# KiCad board SparkFun_Pro_Mini-ESP32_panelized.kicad_pcb
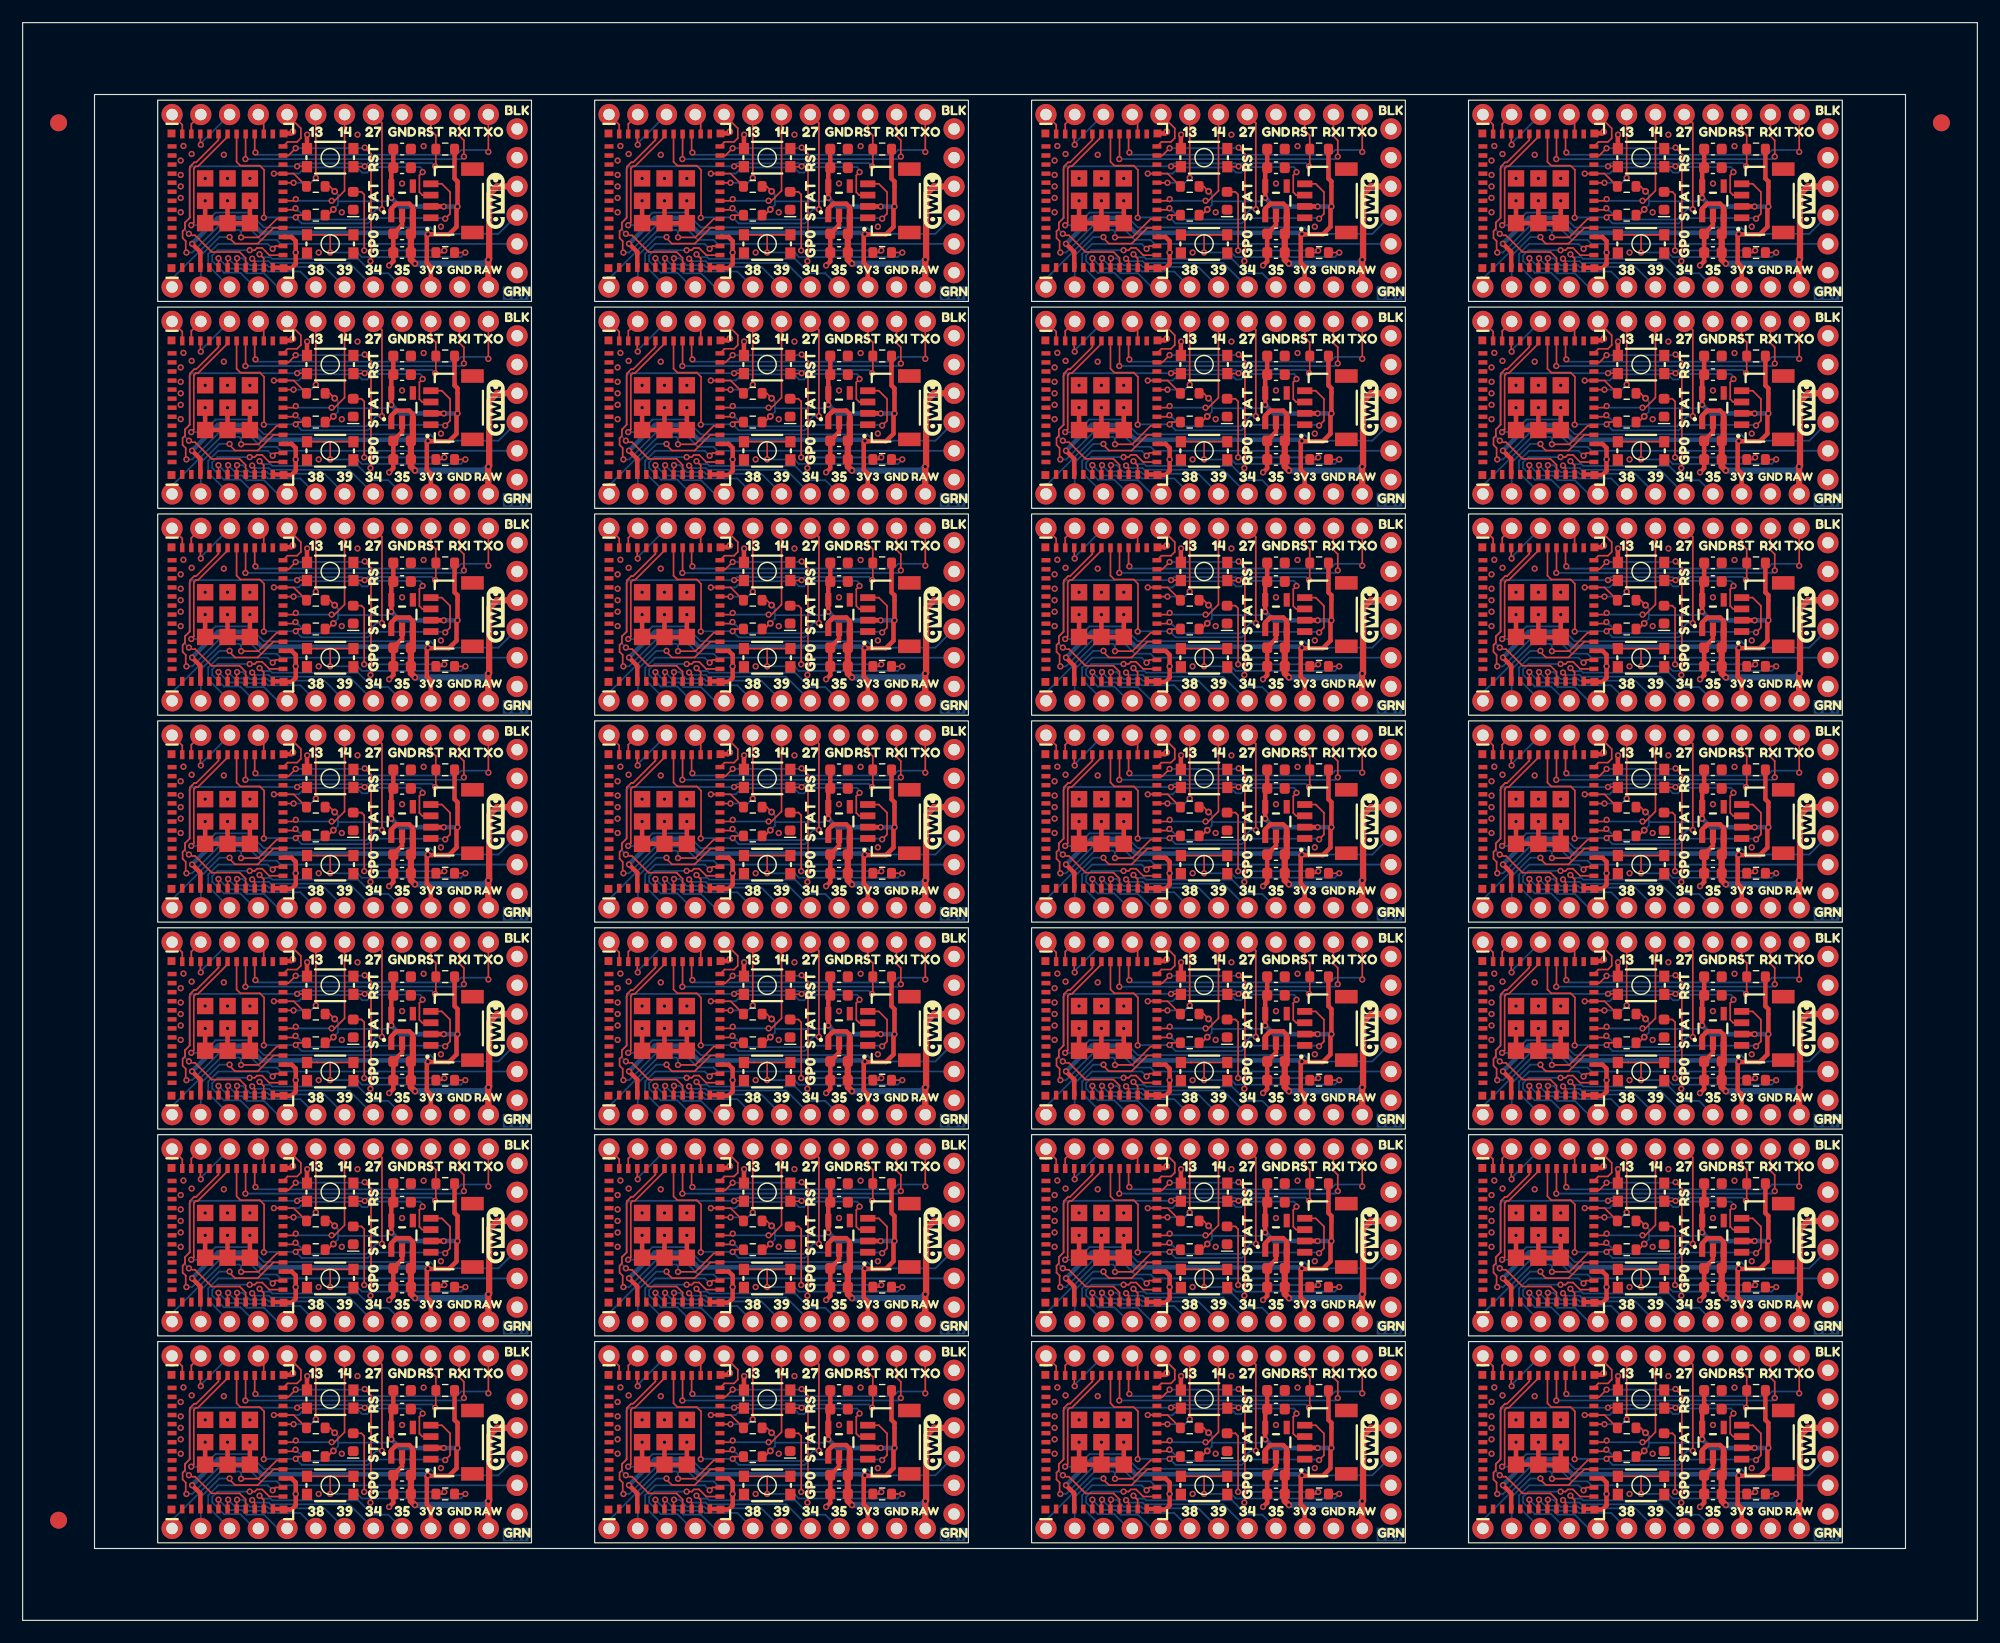
[diagram p0: board, top side]
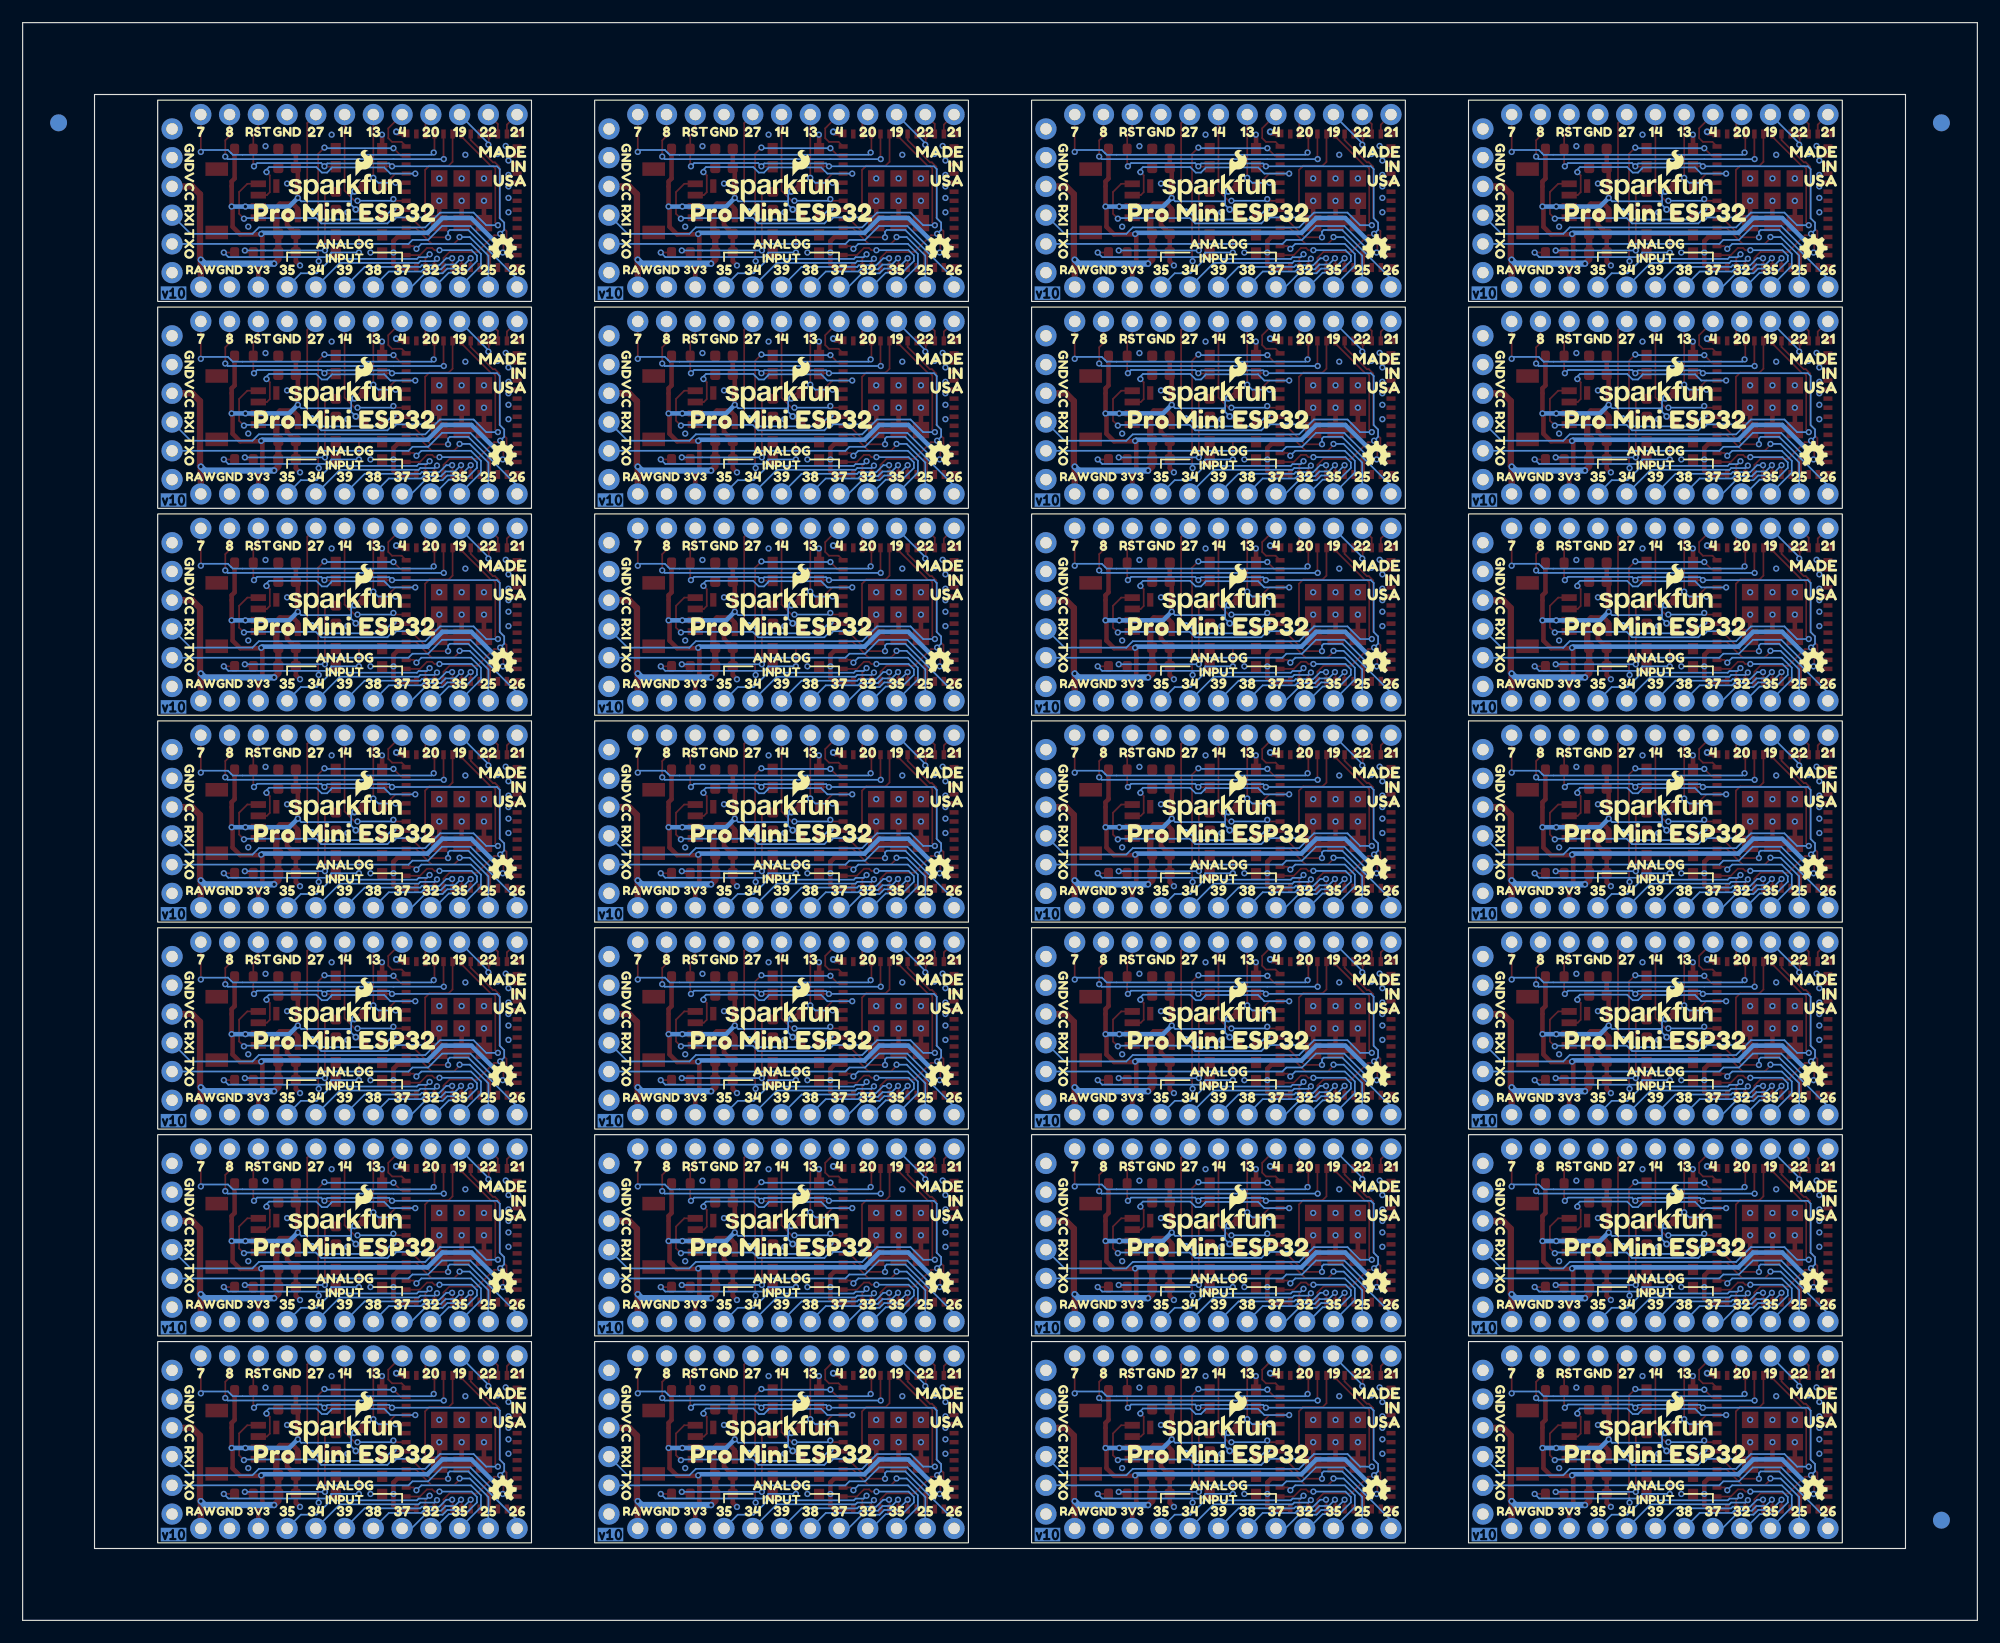
[diagram p1: board, bottom side, seen from below]

Outline 172.68 x 141.16 mm; copper layers: Top, Bottom. Coordinates in mm from the lower left corner of the outline.
Outline path: rectangle 11.93,134.31 44.95,116.53 ; rectangle 11.93,116.03 44.95,98.25 ; rectangle 11.93,97.75 44.95,79.97 ; rectangle 11.93,79.47 44.95,61.69 ; rectangle 11.93,61.19 44.95,43.41 ; rectangle 11.93,42.91 44.95,25.13 ; rectangle 11.93,24.63 44.95,6.85 ; rectangle 50.53,134.31 83.55,116.53 ; rectangle 50.53,116.03 83.55,98.25 ; rectangle 50.53,97.75 83.55,79.97 ; rectangle 50.53,79.47 83.55,61.69 ; rectangle 50.53,61.19 83.55,43.41 ; rectangle 50.53,42.91 83.55,25.13 ; rectangle 50.53,24.63 83.55,6.85 ; rectangle 89.13,134.31 122.15,116.53 ; rectangle 89.13,116.03 122.15,98.25 ; rectangle 89.13,97.75 122.15,79.97 ; rectangle 89.13,79.47 122.15,61.69 ; rectangle 89.13,61.19 122.15,43.41 ; rectangle 89.13,42.91 122.15,25.13 ; rectangle 89.13,24.63 122.15,6.85 ; rectangle 127.73,134.31 160.75,116.53 ; rectangle 127.73,116.03 160.75,98.25 ; rectangle 127.73,97.75 160.75,79.97 ; rectangle 127.73,79.47 160.75,61.69 ; rectangle 127.73,61.19 160.75,43.41 ; rectangle 127.73,42.91 160.75,25.13 ; rectangle 127.73,24.63 160.75,6.85 ; 0,141.16 172.68,141.16 172.68,0 0,0 0,141.16 ; 6.35,134.81 166.33,134.81 166.33,6.35 6.35,6.35 6.35,134.81
Stack: Top 0.035mm / dielectric 1.51mm FR4 er 4.5 / Bottom 0.035mm

## Placement (name value [footprint] x y rotation side)
C1  10uF  [C_0603_1608Metric]  72.12 122.5 180 top
C1#2  10uF  [C_0603_1608Metric]  149.32 104.22 180 top
C1#3  10uF  [C_0603_1608Metric]  110.72 49.38 180 top
C1#4  10uF  [C_0603_1608Metric]  149.32 122.5 180 top
C1#5  10uF  [C_0603_1608Metric]  149.32 49.38 180 top
C1#6  10uF  [C_0603_1608Metric]  149.32 12.82 180 top
C1#7  10uF  [C_0603_1608Metric]  72.12 67.66 180 top
C1#8  10uF  [C_0603_1608Metric]  149.32 31.1 180 top
C1#9  10uF  [C_0603_1608Metric]  110.72 85.94 180 top
C1#10  10uF  [C_0603_1608Metric]  33.52 12.82 180 top
C1#11  10uF  [C_0603_1608Metric]  72.12 12.82 180 top
C1#12  10uF  [C_0603_1608Metric]  110.72 31.1 180 top
C1#13  10uF  [C_0603_1608Metric]  33.52 104.22 180 top
C1#14  10uF  [C_0603_1608Metric]  72.12 31.1 180 top
C1#15  10uF  [C_0603_1608Metric]  72.12 104.22 180 top
C1#16  10uF  [C_0603_1608Metric]  110.72 67.66 180 top
C1#17  10uF  [C_0603_1608Metric]  33.52 85.94 180 top
C1#18  10uF  [C_0603_1608Metric]  33.52 49.38 180 top
C1#19  10uF  [C_0603_1608Metric]  72.12 49.38 180 top
C1#20  10uF  [C_0603_1608Metric]  149.32 85.94 180 top
C1#21  10uF  [C_0603_1608Metric]  110.72 104.22 180 top
C1#22  10uF  [C_0603_1608Metric]  33.52 31.1 180 top
C1#23  10uF  [C_0603_1608Metric]  72.12 85.94 180 top
C1#24  10uF  [C_0603_1608Metric]  33.52 122.5 180 top
C1#25  10uF  [C_0603_1608Metric]  110.72 12.82 180 top
C1#26  10uF  [C_0603_1608Metric]  149.32 67.66 180 top
C1#27  10uF  [C_0603_1608Metric]  33.52 67.66 180 top
C1#28  10uF  [C_0603_1608Metric]  110.72 122.5 180 top
C2  1.0uF  [C_0603_1608Metric]  110.72 29.45 180 top
C2#2  1.0uF  [C_0603_1608Metric]  33.52 84.29 180 top
C2#3  1.0uF  [C_0603_1608Metric]  110.72 47.73 180 top
C2#4  1.0uF  [C_0603_1608Metric]  33.52 66.01 180 top
C2#5  1.0uF  [C_0603_1608Metric]  33.52 120.85 180 top
C2#6  1.0uF  [C_0603_1608Metric]  149.32 102.57 180 top
C2#7  1.0uF  [C_0603_1608Metric]  110.72 120.85 180 top
C2#8  1.0uF  [C_0603_1608Metric]  149.32 120.85 180 top
C2#9  1.0uF  [C_0603_1608Metric]  149.32 47.73 180 top
C2#10  1.0uF  [C_0603_1608Metric]  72.12 47.73 180 top
C2#11  1.0uF  [C_0603_1608Metric]  110.72 102.57 180 top
C2#12  1.0uF  [C_0603_1608Metric]  33.52 47.73 180 top
C2#13  1.0uF  [C_0603_1608Metric]  72.12 11.17 180 top
C2#14  1.0uF  [C_0603_1608Metric]  72.12 120.85 180 top
C2#15  1.0uF  [C_0603_1608Metric]  72.12 102.57 180 top
C2#16  1.0uF  [C_0603_1608Metric]  72.12 29.45 180 top
C2#17  1.0uF  [C_0603_1608Metric]  72.12 66.01 180 top
C2#18  1.0uF  [C_0603_1608Metric]  149.32 11.17 180 top
C2#19  1.0uF  [C_0603_1608Metric]  110.72 84.29 180 top
C2#20  1.0uF  [C_0603_1608Metric]  72.12 84.29 180 top
C2#21  1.0uF  [C_0603_1608Metric]  110.72 11.17 180 top
C2#22  1.0uF  [C_0603_1608Metric]  149.32 29.45 180 top
C2#23  1.0uF  [C_0603_1608Metric]  33.52 11.17 180 top
C2#24  1.0uF  [C_0603_1608Metric]  33.52 29.45 180 top
C2#25  1.0uF  [C_0603_1608Metric]  33.52 102.57 180 top
C2#26  1.0uF  [C_0603_1608Metric]  149.32 84.29 180 top
C2#27  1.0uF  [C_0603_1608Metric]  110.72 66.01 180 top
C2#28  1.0uF  [C_0603_1608Metric]  149.32 66.01 180 top
C5  1.0uF  [C_0603_1608Metric]  33.52 18.66 0 top
C5#2  1.0uF  [C_0603_1608Metric]  33.52 110.06 0 top
C5#3  1.0uF  [C_0603_1608Metric]  149.32 128.34 0 top
C5#4  1.0uF  [C_0603_1608Metric]  110.72 128.34 0 top
C5#5  1.0uF  [C_0603_1608Metric]  33.52 36.94 0 top
C5#6  1.0uF  [C_0603_1608Metric]  72.12 110.06 0 top
C5#7  1.0uF  [C_0603_1608Metric]  72.12 91.78 0 top
C5#8  1.0uF  [C_0603_1608Metric]  33.52 91.78 0 top
C5#9  1.0uF  [C_0603_1608Metric]  149.32 110.06 0 top
C5#10  1.0uF  [C_0603_1608Metric]  33.52 128.34 0 top
C5#11  1.0uF  [C_0603_1608Metric]  149.32 91.78 0 top
C5#12  1.0uF  [C_0603_1608Metric]  110.72 36.94 0 top
C5#13  1.0uF  [C_0603_1608Metric]  72.12 128.34 0 top
C5#14  1.0uF  [C_0603_1608Metric]  149.32 55.22 0 top
C5#15  1.0uF  [C_0603_1608Metric]  110.72 55.22 0 top
C5#16  1.0uF  [C_0603_1608Metric]  149.32 18.66 0 top
C5#17  1.0uF  [C_0603_1608Metric]  72.12 36.94 0 top
C5#18  1.0uF  [C_0603_1608Metric]  72.12 73.5 0 top
C5#19  1.0uF  [C_0603_1608Metric]  110.72 110.06 0 top
C5#20  1.0uF  [C_0603_1608Metric]  149.32 36.94 0 top
C5#21  1.0uF  [C_0603_1608Metric]  110.72 73.5 0 top
C5#22  1.0uF  [C_0603_1608Metric]  72.12 55.22 0 top
C5#23  1.0uF  [C_0603_1608Metric]  110.72 91.78 0 top
C5#24  1.0uF  [C_0603_1608Metric]  72.12 18.66 0 top
C5#25  1.0uF  [C_0603_1608Metric]  33.52 73.5 0 top
C5#26  1.0uF  [C_0603_1608Metric]  110.72 18.66 0 top
C5#27  1.0uF  [C_0603_1608Metric]  149.32 73.5 0 top
C5#28  1.0uF  [C_0603_1608Metric]  33.52 55.22 0 top
C6  10uF  [C_0603_1608Metric]  149.32 20.31 0 top
C6#2  10uF  [C_0603_1608Metric]  33.52 75.15 0 top
C6#3  10uF  [C_0603_1608Metric]  33.52 129.99 0 top
C6#4  10uF  [C_0603_1608Metric]  72.12 111.71 0 top
C6#5  10uF  [C_0603_1608Metric]  149.32 75.15 0 top
C6#6  10uF  [C_0603_1608Metric]  33.52 56.87 0 top
C6#7  10uF  [C_0603_1608Metric]  72.12 56.87 0 top
C6#8  10uF  [C_0603_1608Metric]  72.12 38.59 0 top
C6#9  10uF  [C_0603_1608Metric]  72.12 93.43 0 top
C6#10  10uF  [C_0603_1608Metric]  149.32 38.59 0 top
C6#11  10uF  [C_0603_1608Metric]  33.52 38.59 0 top
C6#12  10uF  [C_0603_1608Metric]  110.72 129.99 0 top
C6#13  10uF  [C_0603_1608Metric]  110.72 75.15 0 top
C6#14  10uF  [C_0603_1608Metric]  149.32 93.43 0 top
C6#15  10uF  [C_0603_1608Metric]  149.32 56.87 0 top
C6#16  10uF  [C_0603_1608Metric]  110.72 56.87 0 top
C6#17  10uF  [C_0603_1608Metric]  33.52 93.43 0 top
C6#18  10uF  [C_0603_1608Metric]  110.72 20.31 0 top
C6#19  10uF  [C_0603_1608Metric]  33.52 20.31 0 top
C6#20  10uF  [C_0603_1608Metric]  72.12 75.15 0 top
C6#21  10uF  [C_0603_1608Metric]  149.32 129.99 0 top
C6#22  10uF  [C_0603_1608Metric]  72.12 20.31 0 top
C6#23  10uF  [C_0603_1608Metric]  110.72 93.43 0 top
C6#24  10uF  [C_0603_1608Metric]  110.72 111.71 0 top
C6#25  10uF  [C_0603_1608Metric]  110.72 38.59 0 top
C6#26  10uF  [C_0603_1608Metric]  72.12 129.99 0 top
C6#27  10uF  [C_0603_1608Metric]  149.32 111.71 0 top
C6#28  10uF  [C_0603_1608Metric]  33.52 111.71 0 top
D1  Red  [LED_0603_1608Metric]  106.4 88.86 90 top
D1#2  Red  [LED_0603_1608Metric]  29.2 52.3 90 top
D1#3  Red  [LED_0603_1608Metric]  145 125.42 90 top
D1#4  Red  [LED_0603_1608Metric]  29.2 125.42 90 top
D1#5  Red  [LED_0603_1608Metric]  67.8 15.74 90 top
D1#6  Red  [LED_0603_1608Metric]  29.2 15.74 90 top
D1#7  Red  [LED_0603_1608Metric]  29.2 70.58 90 top
D1#8  Red  [LED_0603_1608Metric]  106.4 107.14 90 top
D1#9  Red  [LED_0603_1608Metric]  145 70.58 90 top
D1#10  Red  [LED_0603_1608Metric]  145 88.86 90 top
D1#11  Red  [LED_0603_1608Metric]  145 34.02 90 top
D1#12  Red  [LED_0603_1608Metric]  145 15.74 90 top
D1#13  Red  [LED_0603_1608Metric]  106.4 34.02 90 top
D1#14  Red  [LED_0603_1608Metric]  106.4 125.42 90 top
D1#15  Red  [LED_0603_1608Metric]  67.8 70.58 90 top
D1#16  Red  [LED_0603_1608Metric]  67.8 125.42 90 top
D1#17  Red  [LED_0603_1608Metric]  29.2 107.14 90 top
D1#18  Red  [LED_0603_1608Metric]  106.4 15.74 90 top
D1#19  Red  [LED_0603_1608Metric]  67.8 52.3 90 top
D1#20  Red  [LED_0603_1608Metric]  106.4 70.58 90 top
D1#21  Red  [LED_0603_1608Metric]  145 52.3 90 top
D1#22  Red  [LED_0603_1608Metric]  67.8 88.86 90 top
D1#23  Red  [LED_0603_1608Metric]  67.8 107.14 90 top
D1#24  Red  [LED_0603_1608Metric]  145 107.14 90 top
D1#25  Red  [LED_0603_1608Metric]  106.4 52.3 90 top
D1#26  Red  [LED_0603_1608Metric]  29.2 88.86 90 top
D1#27  Red  [LED_0603_1608Metric]  67.8 34.02 90 top
D1#28  Red  [LED_0603_1608Metric]  29.2 34.02 90 top
G2  OSHW_Logo  [Creative_Commons_License]  34.79 -5.85 0 top
G***  LOGO  [qwiic_5mm]  157.57 70.58 90 top
G***#2  LOGO  [qwiic_5mm]  41.77 88.86 90 top
G***#3  LOGO  [qwiic_5mm]  80.38 125.42 90 top
G***#4  LOGO  [qwiic_5mm]  118.98 107.14 90 top
G***#5  LOGO  [qwiic_5mm]  80.38 52.3 90 top
G***#6  LOGO  [qwiic_5mm]  118.98 70.58 90 top
G***#7  LOGO  [qwiic_5mm]  80.38 15.74 90 top
G***#8  LOGO  [qwiic_5mm]  118.98 52.3 90 top
G***#9  LOGO  [qwiic_5mm]  157.57 88.86 90 top
G***#10  LOGO  [qwiic_5mm]  157.57 15.74 90 top
G***#11  LOGO  [qwiic_5mm]  157.57 107.14 90 top
G***#12  LOGO  [qwiic_5mm]  41.77 107.14 90 top
G***#13  LOGO  [qwiic_5mm]  80.38 107.14 90 top
G***#14  LOGO  [qwiic_5mm]  157.57 125.42 90 top
G***#15  LOGO  [qwiic_5mm]  41.77 125.42 90 top
G***#16  LOGO  [qwiic_5mm]  80.38 88.86 90 top
G***#17  LOGO  [qwiic_5mm]  80.38 70.58 90 top
G***#18  LOGO  [qwiic_5mm]  118.98 125.42 90 top
G***#19  LOGO  [qwiic_5mm]  41.77 52.3 90 top
G***#20  LOGO  [qwiic_5mm]  80.38 34.02 90 top
G***#21  LOGO  [qwiic_5mm]  157.57 34.02 90 top
G***#22  LOGO  [qwiic_5mm]  118.98 15.74 90 top
G***#23  LOGO  [qwiic_5mm]  41.77 70.58 90 top
G***#24  LOGO  [qwiic_5mm]  118.98 34.02 90 top
G***#25  LOGO  [qwiic_5mm]  118.98 88.86 90 top
G***#26  LOGO  [qwiic_5mm]  157.57 52.3 90 top
G***#27  LOGO  [qwiic_5mm]  41.77 15.74 90 top
G***#28  LOGO  [qwiic_5mm]  41.77 34.02 90 top
G***#29  LOGO  [SparkFun_Logo_10mm]  28.44 90.13 180 bottom
G***#30  LOGO  [SparkFun_Logo_10mm]  67.04 108.41 180 bottom
G***#31  LOGO  [SparkFun_Logo_10mm]  67.04 53.57 180 bottom
G***#32  LOGO  [SparkFun_Logo_10mm]  67.04 71.85 180 bottom
G***#33  LOGO  [SparkFun_Logo_10mm]  67.04 35.29 180 bottom
G***#34  LOGO  [SparkFun_Logo_10mm]  28.44 71.85 180 bottom
G***#35  LOGO  [SparkFun_Logo_10mm]  105.64 126.69 180 bottom
G***#36  LOGO  [SparkFun_Logo_10mm]  105.64 53.57 180 bottom
G***#37  LOGO  [SparkFun_Logo_10mm]  105.64 71.85 180 bottom
G***#38  LOGO  [SparkFun_Logo_10mm]  105.64 35.29 180 bottom
G***#39  LOGO  [SparkFun_Logo_10mm]  144.24 108.41 180 bottom
G***#40  LOGO  [SparkFun_Logo_10mm]  28.44 53.57 180 bottom
G***#41  LOGO  [SparkFun_Logo_10mm]  105.64 17.01 180 bottom
G***#42  LOGO  [SparkFun_Logo_10mm]  28.44 17.01 180 bottom
G***#43  LOGO  [SparkFun_Logo_10mm]  144.24 35.29 180 bottom
G***#44  LOGO  [SparkFun_Logo_10mm]  144.24 17.01 180 bottom
G***#45  LOGO  [SparkFun_Logo_10mm]  144.24 90.13 180 bottom
G***#46  LOGO  [SparkFun_Logo_10mm]  28.44 126.69 180 bottom
G***#47  LOGO  [SparkFun_Logo_10mm]  105.64 108.41 180 bottom
G***#48  LOGO  [SparkFun_Logo_10mm]  67.04 90.13 180 bottom
G***#49  LOGO  [SparkFun_Logo_10mm]  28.44 35.29 180 bottom
G***#50  LOGO  [SparkFun_Logo_10mm]  144.24 53.57 180 bottom
G***#51  LOGO  [SparkFun_Logo_10mm]  67.04 17.01 180 bottom
G***#52  LOGO  [SparkFun_Logo_10mm]  144.24 126.69 180 bottom
G***#53  LOGO  [SparkFun_Logo_10mm]  28.44 108.41 180 bottom
G***#54  LOGO  [SparkFun_Logo_10mm]  105.64 90.13 180 bottom
G***#55  LOGO  [SparkFun_Logo_10mm]  144.24 71.85 180 bottom
G***#56  LOGO  [SparkFun_Logo_10mm]  67.04 126.69 180 bottom
J1  Conn_01x06  [1X06]  82.28 27.67 90 top
J1#2  Conn_01x06  [1X06]  159.48 100.79 90 top
J1#3  Conn_01x06  [1X06]  43.68 45.95 90 top
J1#4  Conn_01x06  [1X06]  43.68 100.79 90 top
J1#5  Conn_01x06  [1X06]  82.28 9.39 90 top
J1#6  Conn_01x06  [1X06]  82.28 82.51 90 top
J1#7  Conn_01x06  [1X06]  159.48 119.07 90 top
J1#8  Conn_01x06  [1X06]  43.68 27.67 90 top
J1#9  Conn_01x06  [1X06]  82.28 100.79 90 top
J1#10  Conn_01x06  [1X06]  120.88 119.07 90 top
J1#11  Conn_01x06  [1X06]  43.68 9.39 90 top
J1#12  Conn_01x06  [1X06]  82.28 45.95 90 top
J1#13  Conn_01x06  [1X06]  120.88 100.79 90 top
J1#14  Conn_01x06  [1X06]  120.88 45.95 90 top
J1#15  Conn_01x06  [1X06]  159.48 45.95 90 top
J1#16  Conn_01x06  [1X06]  159.48 9.39 90 top
J1#17  Conn_01x06  [1X06]  159.48 82.51 90 top
J1#18  Conn_01x06  [1X06]  120.88 9.39 90 top
J1#19  Conn_01x06  [1X06]  159.48 64.23 90 top
J1#20  Conn_01x06  [1X06]  43.68 82.51 90 top
J1#21  Conn_01x06  [1X06]  43.68 119.07 90 top
J1#22  Conn_01x06  [1X06]  120.88 82.51 90 top
J1#23  Conn_01x06  [1X06]  82.28 119.07 90 top
J1#24  Conn_01x06  [1X06]  120.88 27.67 90 top
J1#25  Conn_01x06  [1X06]  82.28 64.23 90 top
J1#26  Conn_01x06  [1X06]  159.48 27.67 90 top
J1#27  Conn_01x06  [1X06]  43.68 64.23 90 top
J1#28  Conn_01x06  [1X06]  120.88 64.23 90 top
J2  Conn_01x12  [1X12]  90.4 26.4 0 bottom
J2#2  Conn_01x12  [1X12]  51.8 26.4 0 bottom
J2#3  Conn_01x12  [1X12]  129 62.96 0 bottom
J2#4  Conn_01x12  [1X12]  51.8 117.8 0 bottom
J2#5  Conn_01x12  [1X12]  90.4 8.12 0 bottom
J2#6  Conn_01x12  [1X12]  13.2 117.8 0 bottom
J2#7  Conn_01x12  [1X12]  13.2 99.52 0 bottom
J2#8  Conn_01x12  [1X12]  51.8 8.12 0 bottom
J2#9  Conn_01x12  [1X12]  13.2 44.68 0 bottom
J2#10  Conn_01x12  [1X12]  129 8.12 0 bottom
J2#11  Conn_01x12  [1X12]  13.2 81.24 0 bottom
J2#12  Conn_01x12  [1X12]  129 26.4 0 bottom
J2#13  Conn_01x12  [1X12]  129 44.68 0 bottom
J2#14  Conn_01x12  [1X12]  90.4 62.96 0 bottom
J2#15  Conn_01x12  [1X12]  13.2 26.4 0 bottom
J2#16  Conn_01x12  [1X12]  90.4 81.24 0 bottom
J2#17  Conn_01x12  [1X12]  90.4 117.8 0 bottom
J2#18  Conn_01x12  [1X12]  90.4 44.68 0 bottom
J2#19  Conn_01x12  [1X12]  51.8 99.52 0 bottom
J2#20  Conn_01x12  [1X12]  13.2 8.12 0 bottom
J2#21  Conn_01x12  [1X12]  51.8 81.24 0 bottom
J2#22  Conn_01x12  [1X12]  13.2 62.96 0 bottom
J2#23  Conn_01x12  [1X12]  51.8 44.68 0 bottom
J2#24  Conn_01x12  [1X12]  90.4 99.52 0 bottom
J2#25  Conn_01x12  [1X12]  51.8 62.96 0 bottom
J2#26  Conn_01x12  [1X12]  129 117.8 0 bottom
J2#27  Conn_01x12  [1X12]  129 99.52 0 bottom
J2#28  Conn_01x12  [1X12]  129 81.24 0 bottom
J3  Conn_01x12  [1X12]  51.8 41.64 0 top
J3#2  Conn_01x12  [1X12]  90.4 133.04 0 top
J3#3  Conn_01x12  [1X12]  129 78.2 0 top
J3#4  Conn_01x12  [1X12]  51.8 78.2 0 top
J3#5  Conn_01x12  [1X12]  51.8 59.92 0 top
J3#6  Conn_01x12  [1X12]  129 59.92 0 top
J3#7  Conn_01x12  [1X12]  129 133.04 0 top
J3#8  Conn_01x12  [1X12]  90.4 59.92 0 top
J3#9  Conn_01x12  [1X12]  129 41.64 0 top
J3#10  Conn_01x12  [1X12]  90.4 96.48 0 top
J3#11  Conn_01x12  [1X12]  129 114.76 0 top
J3#12  Conn_01x12  [1X12]  13.2 78.2 0 top
J3#13  Conn_01x12  [1X12]  51.8 114.76 0 top
J3#14  Conn_01x12  [1X12]  13.2 96.48 0 top
J3#15  Conn_01x12  [1X12]  90.4 23.36 0 top
J3#16  Conn_01x12  [1X12]  51.8 96.48 0 top
J3#17  Conn_01x12  [1X12]  51.8 23.36 0 top
J3#18  Conn_01x12  [1X12]  13.2 59.92 0 top
J3#19  Conn_01x12  [1X12]  13.2 114.76 0 top
J3#20  Conn_01x12  [1X12]  90.4 41.64 0 top
J3#21  Conn_01x12  [1X12]  51.8 133.04 0 top
J3#22  Conn_01x12  [1X12]  13.2 133.04 0 top
J3#23  Conn_01x12  [1X12]  90.4 78.2 0 top
J3#24  Conn_01x12  [1X12]  129 96.48 0 top
J3#25  Conn_01x12  [1X12]  13.2 23.36 0 top
J3#26  Conn_01x12  [1X12]  90.4 114.76 0 top
J3#27  Conn_01x12  [1X12]  13.2 41.64 0 top
J3#28  Conn_01x12  [1X12]  129 23.36 0 top
J4  Qwiic_RA  [JST04_1MM_RA]  36.06 70.58 90 top
J4#2  Qwiic_RA  [JST04_1MM_RA]  151.86 107.14 90 top
J4#3  Qwiic_RA  [JST04_1MM_RA]  74.66 52.3 90 top
J4#4  Qwiic_RA  [JST04_1MM_RA]  74.66 15.74 90 top
J4#5  Qwiic_RA  [JST04_1MM_RA]  74.66 34.02 90 top
J4#6  Qwiic_RA  [JST04_1MM_RA]  113.26 34.02 90 top
J4#7  Qwiic_RA  [JST04_1MM_RA]  113.26 125.42 90 top
J4#8  Qwiic_RA  [JST04_1MM_RA]  36.06 107.14 90 top
J4#9  Qwiic_RA  [JST04_1MM_RA]  151.86 15.74 90 top
J4#10  Qwiic_RA  [JST04_1MM_RA]  36.06 52.3 90 top
J4#11  Qwiic_RA  [JST04_1MM_RA]  74.66 70.58 90 top
J4#12  Qwiic_RA  [JST04_1MM_RA]  113.26 107.14 90 top
J4#13  Qwiic_RA  [JST04_1MM_RA]  36.06 125.42 90 top
J4#14  Qwiic_RA  [JST04_1MM_RA]  113.26 52.3 90 top
J4#15  Qwiic_RA  [JST04_1MM_RA]  151.86 125.42 90 top
J4#16  Qwiic_RA  [JST04_1MM_RA]  151.86 88.86 90 top
J4#17  Qwiic_RA  [JST04_1MM_RA]  36.06 34.02 90 top
J4#18  Qwiic_RA  [JST04_1MM_RA]  36.06 88.86 90 top
J4#19  Qwiic_RA  [JST04_1MM_RA]  74.66 107.14 90 top
J4#20  Qwiic_RA  [JST04_1MM_RA]  74.66 88.86 90 top
J4#21  Qwiic_RA  [JST04_1MM_RA]  36.06 15.74 90 top
J4#22  Qwiic_RA  [JST04_1MM_RA]  113.26 15.74 90 top
J4#23  Qwiic_RA  [JST04_1MM_RA]  113.26 70.58 90 top
J4#24  Qwiic_RA  [JST04_1MM_RA]  151.86 52.3 90 top
J4#25  Qwiic_RA  [JST04_1MM_RA]  151.86 34.02 90 top
J4#26  Qwiic_RA  [JST04_1MM_RA]  74.66 125.42 90 top
J4#27  Qwiic_RA  [JST04_1MM_RA]  113.26 88.86 90 top
J4#28  Qwiic_RA  [JST04_1MM_RA]  151.86 70.58 90 top
kibuzzard-64DAF3F2  G***  [kibuzzard-64DAF3F2]  144.24 113.24 0 top
kibuzzard-64DAF3F2#2  G***  [kibuzzard-64DAF3F2]  28.44 131.52 0 top
kibuzzard-64DAF3F2#3  G***  [kibuzzard-64DAF3F2]  28.44 40.12 0 top
kibuzzard-64DAF3F2#4  G***  [kibuzzard-64DAF3F2]  28.44 94.96 0 top
kibuzzard-64DAF3F2#5  G***  [kibuzzard-64DAF3F2]  105.64 113.24 0 top
kibuzzard-64DAF3F2#6  G***  [kibuzzard-64DAF3F2]  105.64 76.68 0 top
kibuzzard-64DAF3F2#7  G***  [kibuzzard-64DAF3F2]  67.04 94.96 0 top
kibuzzard-64DAF3F2#8  G***  [kibuzzard-64DAF3F2]  144.24 58.4 0 top
kibuzzard-64DAF3F2#9  G***  [kibuzzard-64DAF3F2]  144.24 131.52 0 top
kibuzzard-64DAF3F2#10  G***  [kibuzzard-64DAF3F2]  144.24 21.84 0 top
kibuzzard-64DAF3F2#11  G***  [kibuzzard-64DAF3F2]  144.24 94.96 0 top
kibuzzard-64DAF3F2#12  G***  [kibuzzard-64DAF3F2]  28.44 21.84 0 top
kibuzzard-64DAF3F2#13  G***  [kibuzzard-64DAF3F2]  67.04 40.12 0 top
kibuzzard-64DAF3F2#14  G***  [kibuzzard-64DAF3F2]  105.64 94.96 0 top
kibuzzard-64DAF3F2#15  G***  [kibuzzard-64DAF3F2]  105.64 131.52 0 top
kibuzzard-64DAF3F2#16  G***  [kibuzzard-64DAF3F2]  28.44 113.24 0 top
kibuzzard-64DAF3F2#17  G***  [kibuzzard-64DAF3F2]  144.24 76.68 0 top